# KiCad board USB Cable Tester.kicad_pcb (continued)
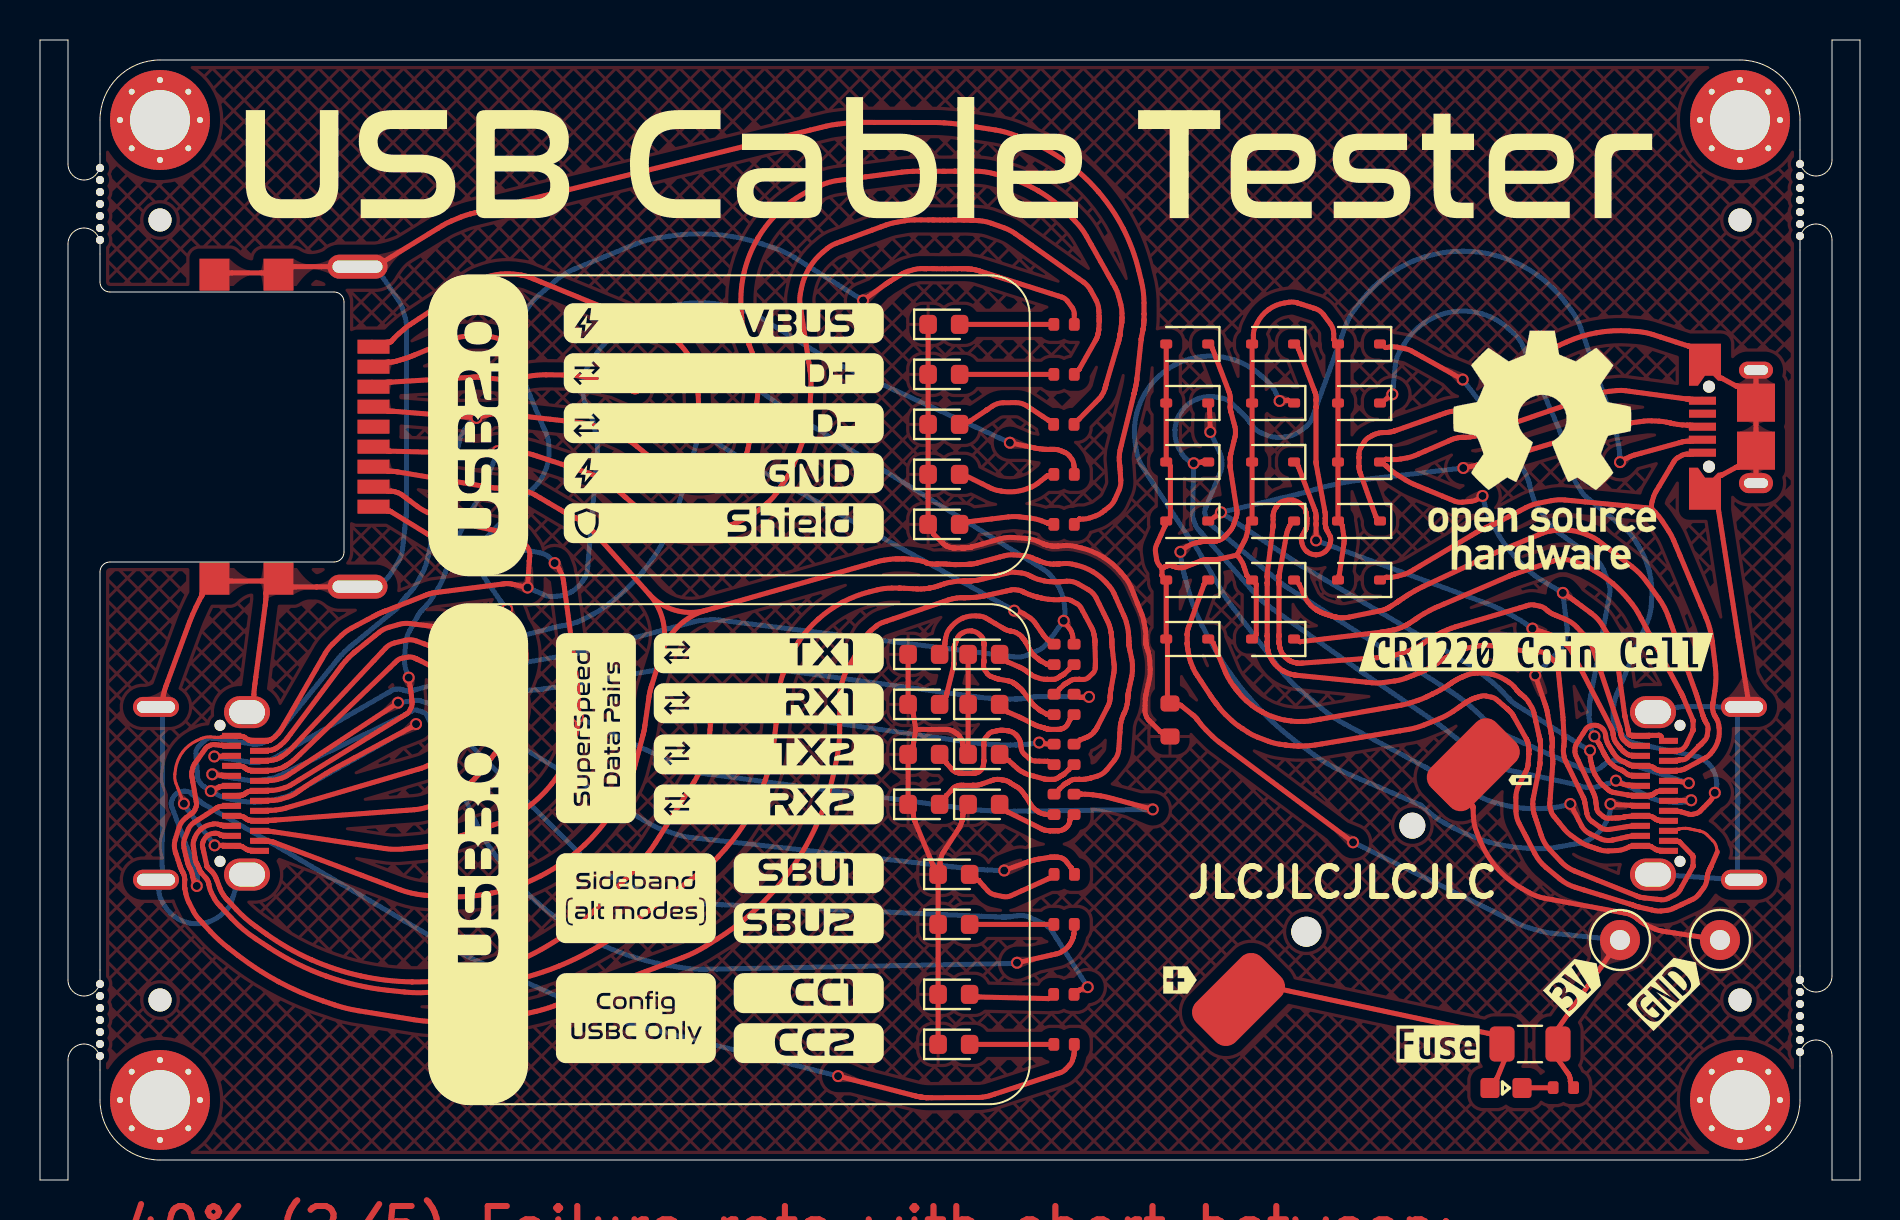
[diagram p0: board, top side]
## Routing (per net, layer and track width the routed paths; a pad name or vN(x,y) marks a point on that pad's centre or on a via; arc(x,y) is an arc through that point) (continued)
/SHLD: length 122
  Top w0.25: 51.96,33.04 51.96,33.04 arc(51.96,33.04) 51.96,33.04 51.96,33.04 arc(51.96,33.04) 51.96,33.04 51.97,33.04 arc(51.97,33.04) 51.97,33.04 52.15,33.04 arc(52.31,33.06) 52.47,33.1 52.79,33.21 arc(52.95,33.27) 53.09,33.37 53.21,33.46 arc(53.22,33.47) 53.23,33.47 arc(53.23,33.48) 53.24,33.49 53.44,33.64 arc(53.61,33.81) 53.74,34.02 53.95,34.49 arc(54.02,34.73) 54.04,34.97 54,35.56 arc(54,35.6) 54,35.63 arc(53.99,35.67) 53.99,35.7 53.96,35.96 arc(53.96,36.05) 53.96,36.13 53.97,36.31 arc(53.98,36.4) 54,36.49 54.07,36.74 54.7,39.32 arc(54.7,39.32) 54.7,39.32 arc(54.7,39.32) 54.7,39.32 54.71,39.33 arc(54.71,39.33) 54.71,39.33 arc(54.71,39.33) 54.71,39.34 54.71,39.35 arc(54.71,39.36) 54.72,39.37 arc(54.72,39.38) 54.72,39.39 54.73,39.41 arc(54.73,39.43) 54.74,39.46 54.74,39.47 arc(54.75,39.51) 54.76,39.55 54.8,39.76 arc(54.81,39.8) 54.82,39.84 54.83,39.91 arc(54.83,39.94) 54.84,39.98 54.85,40.09 55.06,42.01 arc(55.06,42.01) 55.06,42.02 arc(55.06,42.03) 55.06,42.04 55.06,42.06 arc(55.06,42.07) 55.07,42.08 55.08,42.14 55.13,42.43 arc(55.14,42.47) 55.15,42.51 55.16,42.55 arc(55.16,42.55) 55.16,42.55 55.18,42.74 arc(55.18,42.74) 55.18,42.74 55.18,42.77 arc(55.19,42.81) 55.19,42.84 55.2,42.91 arc(55.2,42.94) 55.2,42.98 55.2,43.01 arc(55.2,43.01) 55.2,43.01 arc(55.2,43.01) 55.2,43.01 55.2,43.29 arc(55.2,43.3) 55.2,43.3 55.2,43.85 arc(55.17,44.41) 55.07,44.95 54.93,45.5 arc(54.61,46.56) 54.16,47.57 arc(53.59,48.53) 52.92,49.41 arc(52.15,50.21) 51.29,50.91 arc(50.35,51.51) 49.35,51.99 48.83,52.2 arc(48.31,52.38) 47.76,52.5 46.46,52.7 45.92,52.79 arc(45.74,52.81) 45.56,52.83 45.19,52.86 arc(45.01,52.87) 44.83,52.87 44,52.88 arc(44,52.88) 44,52.88 41.71,52.88 40.9,52.88 arc(40.63,52.87) 40.36,52.85 39.82,52.78 arc(39.55,52.74) 39.28,52.69 38.49,52.49 22.27,48.49 21.53,48.31 arc(21.28,48.24) 21.04,48.15 20.57,47.95 arc(20.33,47.84) 20.11,47.72 19.45,47.31 17.22,45.95 arc(17.08,45.86) 16.94,45.77 16.81,45.69 arc(16.8,45.68) 16.79,45.67 arc(16.77,45.67) 16.76,45.67 J1.10 12.61,45.67 arc(12.55,45.66) 12.5,45.63 12.19,45.44 arc(11.91,45.32) 11.61,45.31 11.36,45.35 arc(11.3,45.35) 11.24,45.35 9.41,45.35 arc(9.35,45.35) 9.29,45.35 8.72,45.27 ; J2.S1 5.95,23.65 arc(6.04,23.69) 6.09,23.78 6.12,24.02 arc(6.14,24.13) 6.16,24.23 6.22,24.44 arc(6.25,24.55) 6.28,24.65 6.39,24.95 7.27,27.35 7.48,27.91 arc(7.55,28.1) 7.63,28.28 7.8,28.65 arc(7.88,28.83) 7.98,29.01 8.09,29.21 arc(8.09,29.22) 8.09,29.23 8.1,29.24 arc(8.1,29.25) 8.1,29.26 8.1,29.33 arc(8.11,29.39) 8.14,29.44 8.51,29.83 arc(8.75,29.99) 9.04,30.01 9.29,29.96 arc(9.35,29.95) 9.41,29.95 11.24,29.95 arc(11.3,29.95) 11.36,29.96 11.61,30.01 ; 12.19,29.89 12.5,29.69 arc(12.55,29.66) 12.61,29.65 13.81,29.65 arc(13.82,29.65) 13.83,29.65 arc(13.84,29.65) 13.84,29.65 14.52,29.66 arc(14.97,29.67) 15.42,29.67 J1.10 ; 12.19,29.89 arc(11.94,29.95) 11.71,29.83 ; 12.19,29.89 arc(11.91,30.01) 11.61,30.01 ; 11.61,30.01 arc(11.72,29.96) 11.71,29.83 ; J2.S1 10.69,23.39 arc(10.7,23.4) 10.7,23.4 arc(10.7,23.41) 10.7,23.43 10.69,23.59 arc(10.68,23.76) 10.68,23.93 10.69,24.28 arc(10.7,24.45) 10.72,24.62 10.79,25.14 11.26,28.73 11.28,28.89 arc(11.29,28.94) 11.29,29 11.3,29.11 arc(11.3,29.16) 11.3,29.21 11.3,29.33 arc(11.31,29.39) 11.34,29.44 11.71,29.83
  Bottom w0.25: J1.10 16.77,29.67 arc(16.77,29.67) 16.78,29.67 arc(16.78,29.67) 16.78,29.67 17.07,29.85 arc(17.33,30.06) 17.54,30.32 17.9,30.9 arc(18.05,31.2) 18.12,31.53 18.24,32.55 18.31,33.24 arc(18.32,33.28) 18.32,33.33 18.32,33.41 arc(18.32,33.45) 18.33,33.5 18.33,36.45 18.33,39.01 18.33,42.67 arc(18.31,42.9) 18.26,43.13 18.12,43.58 arc(18.03,43.8) 17.91,44 17.51,44.59 17.03,45.3 arc(16.72,45.57) 16.32,45.67 J1.10 ; J2.S1 10.18,15.27 arc(10.03,15.23) 9.95,15.11 9.58,13.92 arc(9.49,13.72) 9.35,13.54 9.19,13.38 arc(8.84,13.1) 8.44,12.91 arc(8,12.82) 7.55,12.83 arc(7.12,12.95) 6.73,13.17 arc(6.4,13.47) 6.15,13.84 6.05,14.04 arc(5.97,14.25) 5.95,14.47 5.95,14.94 arc(5.93,14.99) 5.87,15.01 5.96,15.01 arc(6.08,15.06) 6.12,15.18 6.09,16.6 6.09,16.72 arc(6.09,16.76) 6.09,16.8 6.09,16.88 arc(6.1,16.92) 6.1,16.96 6.11,17.08 arc(6.12,17.12) 6.12,17.16 6.12,17.24 arc(6.12,17.28) 6.12,17.32 6.12,20.07 arc(6.12,20.08) 6.12,20.09 6.12,21.12 arc(6.12,21.17) 6.12,21.22 6.12,21.25 arc(6.12,21.27) 6.12,21.28 arc(6.12,21.3) 6.12,21.31 6.12,21.35 arc(6.12,21.4) 6.13,21.46 6.13,23.49 arc(6.08,23.61) 5.96,23.65 J2.S1
/TX1+: length 72.9
  Top w0.25: J2.A2 11.26,21.48 arc(11.33,21.48) 11.39,21.48 11.49,21.48 arc(11.54,21.49) 11.58,21.49 11.66,21.52 arc(11.7,21.53) 11.73,21.55 11.87,21.63 arc(11.96,21.69) 12.04,21.75 12.19,21.89 arc(12.26,21.96) 12.33,22.04 12.52,22.29 15.09,25.73 arc(15.17,25.84) 15.26,25.93 15.44,26.12 arc(15.53,26.21) 15.62,26.3 15.72,26.39 arc(15.73,26.39) 15.73,26.39 15.77,26.42 arc(15.81,26.46) 15.85,26.49 16.32,26.87 16.96,27.39 arc(17.19,27.53) 17.44,27.63 17.96,27.78 arc(18.23,27.83) 18.5,27.82 19.31,27.72 v1(19.97,27.64) ; 16.68,41.67 17.29,41.87 arc(17.35,41.89) 17.41,41.89 17.49,41.89 arc(17.5,41.89) 17.51,41.9 17.54,41.91 arc(17.55,41.91) 17.56,41.92 17.7,42.08 arc(17.83,42.21) 17.96,42.33 18.23,42.56 arc(18.37,42.68) 18.52,42.78 18.96,43.08 21.14,44.51 21.66,44.86 arc(21.84,44.96) 22.03,45.04 22.23,45.11 arc(22.63,45.23) 23.04,45.3 arc(23.45,45.31) 23.87,45.28 24.08,45.25 arc(24.28,45.2) 24.48,45.14 25.06,44.9 30.32,42.75 arc(30.55,42.65) 30.79,42.55 31,42.46 arc(31.02,42.45) 31.04,42.45 31.25,42.35 arc(31.44,42.24) 31.62,42.11 31.79,41.97 arc(32.1,41.67) 32.36,41.33 arc(32.58,40.95) 32.74,40.55 32.81,40.34 arc(32.86,40.13) 32.88,39.92 32.91,39.26 v1(32.98,37.38) ; 50.41,27 50.36,27.04 arc(50.33,27.07) 50.3,27.09 50.25,27.16 arc(50.22,27.19) 50.2,27.22 49.74,27.87 arc(49.63,28) 49.5,28.11 49.21,28.3 arc(49.06,28.38) 48.9,28.43 v1(48.71,28.47)
  Bottom w0.25: v1(19.97,27.64) 20.06,27.65 arc(20.13,27.67) 20.21,27.67 20.36,27.69 arc(20.44,27.7) 20.52,27.7 21.51,27.72 arc(21.62,27.72) 21.72,27.7 21.93,27.64 arc(22.03,27.61) 22.12,27.56 22.72,27.2 arc(22.85,27.14) 23,27.11 23.29,27.06 arc(23.44,27.06) 23.58,27.08 24.01,27.19 25.63,27.61 25.8,27.65 arc(25.86,27.66) 25.91,27.67 26.02,27.7 arc(26.08,27.71) 26.14,27.72 26.34,27.75 arc(26.46,27.77) 26.58,27.81 26.83,27.89 arc(26.95,27.93) 27.06,27.98 27.63,28.28 arc(28.04,28.52) 28.43,28.8 28.81,29.1 arc(29.52,29.74) 30.17,30.45 arc(30.74,31.22) 31.23,32.04 31.45,32.46 arc(31.65,32.9) 31.81,33.35 32.21,34.74 v1(32.98,37.38) 35.66,35.71 arc(35.89,35.57) 36.12,35.43 arc(36.36,35.29) 36.59,35.16 v1(48.71,28.47)
/TX1-: length 84.8
  Top w0.25: 16.68,39.67 17.29,39.87 arc(17.35,39.89) 17.41,39.89 17.45,39.89 arc(17.47,39.89) 17.5,39.89 arc(17.53,39.89) 17.56,39.9 21.62,40.14 21.74,40.15 arc(21.78,40.15) 21.83,40.15 21.91,40.15 arc(21.95,40.15) 21.99,40.14 22.12,40.13 23.25,40.01 arc(23.32,40) 23.4,40.01 23.54,40.01 arc(23.62,40.02) 23.69,40.03 24.3,40.16 arc(24.8,40.24) 25.31,40.26 26.33,40.25 arc(26.84,40.22) 27.34,40.13 v1(29.75,39.58) ; J2.A3 11.26,20.98 arc(11.33,20.98) 11.39,20.98 11.53,20.98 arc(11.6,20.99) 11.68,21 11.82,21.04 arc(11.89,21.07) 11.96,21.1 12.02,21.14 arc(12.03,21.14) 12.03,21.14 12.12,21.19 arc(12.19,21.24) 12.27,21.3 12.41,21.41 arc(12.48,21.47) 12.54,21.54 12.73,21.74 16.7,25.98 17.27,26.59 arc(17.48,26.76) 17.73,26.86 18.28,26.99 arc(18.54,27.01) 18.81,26.95 19.63,26.65 arc(19.64,26.65) 19.66,26.65 19.68,26.64 arc(19.7,26.63) 19.71,26.63 19.75,26.62 v1(21.44,26.21) ; v1(51.19,27.96) 51.51,27.54 arc(51.55,27.48) 51.57,27.41 51.62,27.27 arc(51.64,27.21) 51.64,27.13 51.64,27.06
  Bottom w0.25: v1(21.44,26.21) 21.44,26.21 arc(21.45,26.21) 21.46,26.2 21.52,26.18 arc(21.53,26.18) 21.55,26.17 arc(21.56,26.17) 21.57,26.17 21.67,26.14 arc(21.78,26.1) 21.9,26.07 22.74,25.83 arc(22.9,25.79) 23.05,25.78 23.37,25.76 arc(23.52,25.76) 23.68,25.78 24.14,25.86 26.33,26.24 arc(26.36,26.24) 26.39,26.25 26.41,26.25 arc(26.42,26.25) 26.43,26.25 26.5,26.27 arc(26.56,26.28) 26.63,26.29 26.75,26.32 arc(26.81,26.33) 26.88,26.35 27.06,26.4 32.1,27.75 32.7,27.91 arc(32.9,27.96) 33.11,27.98 33.53,28.01 arc(33.73,28.01) 33.94,28 34.56,27.92 47.81,26.27 48.74,26.15 arc(49.04,26.15) 49.33,26.24 49.91,26.48 arc(50.17,26.64) 50.38,26.86 50.93,27.62 v1(51.19,27.96) 51.23,28.17 arc(51.25,28.36) 51.24,28.55 51.22,28.74 arc(51.15,29.11) 51.03,29.48 arc(50.85,29.81) 50.62,30.12 50.5,30.27 arc(50.36,30.4) 50.21,30.51 49.71,30.82 37.81,38.2 arc(37.64,38.31) 37.47,38.41 arc(37.3,38.53) 37.14,38.64 35.34,39.91 34.77,40.32 arc(34.57,40.44) 34.35,40.53 34.13,40.61 arc(33.68,40.74) 33.22,40.8 arc(32.76,40.8) 32.3,40.74 32.07,40.69 arc(31.84,40.63) 31.63,40.54 31,40.22 v1(29.75,39.58)
/TX2+: length 54.4
  Top w0.25: v1(49.96,21.87) 50.38,21.79 ; J2.B2 9.29,17.23 arc(9.23,17.23) 9.16,17.23 9.09,17.23 arc(9.08,17.23) 9.08,17.24 9.06,17.24 arc(9.05,17.24) 9.05,17.25 9.04,17.25 arc(9.04,17.25) 9.04,17.25 8.96,17.3 arc(8.88,17.33) 8.79,17.34 8.7,17.33 arc(8.53,17.3) 8.37,17.22 arc(8.25,17.1) 8.17,16.94 8.14,16.86 arc(8.12,16.77) 8.12,16.69 8.35,15.68 arc(8.35,15.67) 8.36,15.66 8.37,15.65 arc(8.37,15.64) 8.38,15.63 arc(8.38,15.63) 8.39,15.62 8.61,15.4 arc(8.65,15.36) 8.68,15.31 8.74,15.22 arc(8.77,15.18) 8.79,15.13 9.02,14.53 arc(9.05,14.45) 9.1,14.37 9.19,14.22 arc(9.24,14.15) 9.3,14.09 9.35,14.03 arc(9.36,14.02) 9.36,14.02 arc(9.37,14.01) 9.37,14.01 9.81,13.53 arc(10.27,13.08) 10.78,12.68 11.31,12.3 arc(12.41,11.6) 13.56,11.02 arc(14.77,10.55) 16.03,10.21 arc(17.31,9.99) 18.6,9.91 arc(19.9,9.95) 21.18,10.13 arc(22.45,10.43) 23.67,10.86 arc(24.85,11.41) 25.96,12.07 26.5,12.43 arc(27.02,12.82) 27.5,13.26 29.56,15.33 arc(29.78,15.57) 30,15.83 30.41,16.34 arc(30.6,16.61) 30.79,16.88 31.32,17.71 32.71,19.92 arc(32.9,20.26) 33.05,20.62 33.3,21.37 arc(33.41,21.74) 33.47,22.13 v1(33.61,23.72)
  Bottom w0.25: v1(49.96,21.87) 49.8,21.84 arc(49.67,21.82) 49.53,21.8 49.26,21.78 arc(49.12,21.77) 48.99,21.76 48.77,21.76 48.51,21.75 arc(48.2,21.75) 47.89,21.76 47.28,21.8 arc(46.97,21.82) 46.67,21.86 45.75,21.99 v1(33.61,23.72)
/TX2-: length 69.8
  Top w0.25: J2.B3 9.29,17.73 arc(9.23,17.73) 9.16,17.73 9.1,17.73 arc(9.09,17.73) 9.09,17.73 9.08,17.74 arc(9.07,17.74) 9.07,17.74 arc(9.06,17.74) 9.06,17.74 arc(9.05,17.74) 9.05,17.74 8.92,17.78 arc(8.79,17.81) 8.66,17.8 8.52,17.77 arc(8.27,17.69) 8.05,17.54 arc(7.86,17.34) 7.74,17.11 7.69,16.98 arc(7.66,16.85) 7.66,16.72 7.76,16.03 arc(7.77,16) 7.78,15.97 7.8,15.9 arc(7.81,15.87) 7.83,15.84 7.84,15.82 arc(7.84,15.81) 7.85,15.8 7.87,15.77 arc(7.88,15.74) 7.9,15.71 7.93,15.64 arc(7.94,15.61) 7.95,15.58 7.97,15.51 arc(7.98,15.49) 7.99,15.47 8.01,15.43 arc(8.03,15.42) 8.04,15.4 8.06,15.37 arc(8.07,15.36) 8.08,15.35 arc(8.08,15.34) 8.09,15.33 8.32,15.07 arc(8.34,15.04) 8.36,15.01 8.4,14.94 arc(8.41,14.9) 8.42,14.86 8.47,14.65 arc(8.51,14.5) 8.57,14.35 8.72,14.07 arc(8.8,13.94) 8.9,13.82 9.04,13.66 9.57,13.09 arc(10.15,12.54) 10.79,12.06 11.46,11.62 arc(12.85,10.82) 14.32,10.19 arc(15.85,9.74) 17.43,9.48 18.23,9.4 arc(19.03,9.36) 19.83,9.42 21.78,9.69 23.02,9.86 arc(23.45,9.93) 23.87,10.03 24.3,10.14 arc(25.14,10.4) 25.96,10.7 arc(26.76,11.06) 27.54,11.46 27.92,11.68 arc(28.3,11.9) 28.66,12.15 29.72,12.94 31.96,14.6 33.18,15.5 arc(33.57,15.82) 33.92,16.17 34.26,16.55 arc(34.89,17.33) 35.44,18.18 arc(35.9,19.07) 36.27,20.01 36.43,20.49 arc(36.56,20.97) 36.65,21.47 36.81,22.85 36.86,23.23 arc(36.87,23.34) 36.88,23.44 arc(36.89,23.54) 36.89,23.65 36.89,23.68 arc(36.9,23.81) 36.91,23.95 36.93,24.12 arc(36.93,24.14) 36.93,24.16 36.97,24.55 arc(37.03,24.92) 37.14,25.27 37.27,25.62 arc(37.57,26.3) 37.94,26.93 arc(38.39,27.52) 38.91,28.04 arc(39.49,28.5) 40.12,28.89 arc(40.8,29.19) 41.5,29.42 41.86,29.51 arc(42.23,29.57) 42.59,29.6 42.97,29.6 arc(42.97,29.6) 42.97,29.6 43.05,29.59 arc(43.13,29.59) 43.21,29.59 43.89,29.55 arc(43.97,29.55) 44.05,29.55 44.21,29.56 arc(44.29,29.57) 44.37,29.58 44.45,29.59 arc(44.45,29.59) 44.45,29.59 arc(44.46,29.59) 44.46,29.59 44.51,29.6 arc(44.57,29.61) 44.63,29.63 44.74,29.65 arc(44.8,29.67) 44.85,29.69 45.24,29.82 arc(45.37,29.85) 45.49,29.88 45.75,29.92 arc(45.88,29.94) 46.01,29.95 46.18,29.95 arc(46.18,29.95) 46.18,29.95 46.19,29.95 arc(46.2,29.95) 46.21,29.95 46.23,29.95 arc(46.25,29.95) 46.27,29.95 46.29,29.95 arc(46.29,29.95) 46.29,29.95 46.34,29.95 arc(46.37,29.95) 46.41,29.95 46.44,29.95 arc(46.46,29.95) 46.47,29.95 arc(46.48,29.95) 46.5,29.95 46.53,29.96 arc(46.53,29.96) 46.53,29.96 46.56,29.96 arc(46.56,29.96) 46.57,29.96 46.63,29.96 arc(46.69,29.97) 46.76,29.97 46.88,29.99 arc(46.94,30) 47,30.02 47.18,30.06 47.93,30.24 48.42,30.36 arc(48.58,30.39) 48.75,30.39 49.08,30.35 arc(49.25,30.32) 49.4,30.26 49.69,30.11 arc(49.81,30.06) 49.94,30.02 50.2,29.96 arc(50.33,29.93) 50.46,29.92 50.76,29.91 arc(50.8,29.91) 50.84,29.91 50.91,29.91 arc(50.95,29.91) 50.98,29.91 51.01,29.91 arc(51.02,29.92) 51.03,29.92 arc(51.04,29.92) 51.05,29.92 51.34,29.94 arc(51.63,29.92) 51.9,29.81 52.42,29.51 arc(52.65,29.33) 52.81,29.09 53.29,28.13 53.4,27.89 arc(53.44,27.81) 53.47,27.73 53.52,27.56 arc(53.54,27.47) 53.55,27.38 53.58,27.18 arc(53.58,27.13) 53.59,27.08 53.59,27.05 arc(53.59,27.04) 53.59,27.02 arc(53.59,27.01) 53.59,27 53.59,26.93 arc(53.59,26.92) 53.59,26.91 arc(53.59,26.9) 53.59,26.9 53.59,26.87 arc(53.59,26.83) 53.59,26.8 53.6,26.73 arc(53.6,26.69) 53.6,26.66 53.71,25.74 arc(53.71,25.68) 53.71,25.62 53.71,25.5 arc(53.7,25.44) 53.7,25.38 53.54,24.51 arc(53.54,24.48) 53.53,24.44 53.52,24.38 arc(53.52,24.34) 53.52,24.31 53.51,24.23 arc(53.51,24.2) 53.51,24.16 53.51,24.13 arc(53.51,24.13) 53.51,24.12 arc(53.51,24.11) 53.51,24.11 53.5,24.06 arc(53.5,24) 53.49,23.94 53.46,23.83 arc(53.44,23.78) 53.42,23.73 53.34,23.57 52.84,22.6 arc(52.83,22.58) 52.81,22.56 52.78,22.51 arc(52.77,22.49) 52.75,22.47 52.67,22.36 arc(52.62,22.32) 52.58,22.28 52.48,22.21 arc(52.43,22.18) 52.38,22.15 52.01,22 arc(52,22) 52,22 52,22 arc(52,22) 52,22 52,22
/USB_GND: length 80.8
  Top w0.15: v1(7.2,18.82) 6.89,19.61 6.8,19.83 arc(6.74,20.06) 6.74,20.29 6.77,20.53 arc(6.89,20.98) 7.12,21.39 arc(7.45,21.73) 7.84,21.97 8.06,22.07 arc(8.29,22.14) 8.52,22.15 8.75,22.13 arc(8.76,22.13) 8.77,22.13 8.77,22.13 arc(8.78,22.13) 8.78,22.13 arc(8.78,22.13) 8.78,22.13 8.87,22.13 arc(8.88,22.13) 8.88,22.13 arc(8.88,22.13) 8.89,22.13 9.06,22.15 arc(9.07,22.15) 9.07,22.15 9.09,22.16 arc(9.09,22.17) 9.1,22.17 9.1,22.18 arc(9.1,22.18) 9.1,22.18 arc(9.1,22.18) 9.1,22.18 9.14,22.18 arc(9.18,22.18) 9.21,22.19 9.4,22.2
  Top w0.25: v1(8.73,16.73) 9.16,16.73 arc(9.23,16.73) 9.29,16.73 9.4,16.72 arc(9.58,16.71) 9.75,16.7 9.86,16.69 arc(9.93,16.68) 9.99,16.68 10.06,16.68 arc(10.07,16.68) 10.08,16.68 10.09,16.68 arc(10.1,16.67) 10.11,16.67 10.35,16.52 arc(10.37,16.51) 10.39,16.5 10.43,16.49 arc(10.46,16.48) 10.48,16.48 10.56,16.48 arc(10.63,16.48) 10.69,16.48 J2.A12 ; 51.71,35.6 51.68,35.84 arc(51.65,35.95) 51.59,36.04 51.45,36.23 arc(51.38,36.3) 51.28,36.36 51.02,36.47 arc(50.97,36.49) 50.93,36.5 50.83,36.52 arc(50.79,36.53) 50.74,36.53 50.58,36.53 arc(50.56,36.53) 50.53,36.53 50.52,36.53 arc(50.51,36.53) 50.5,36.53 50.5,36.53 arc(50.49,36.53) 50.48,36.53 arc(50.48,36.53) 50.47,36.53 50.46,36.53 arc(50.45,36.53) 50.44,36.53 50.44,36.53 arc(50.42,36.53) 50.41,36.53 50.38,36.53 arc(50.37,36.53) 50.35,36.53 50.13,36.54 arc(50.07,36.55) 50.01,36.56 49.88,36.57 arc(49.82,36.58) 49.77,36.59 49.59,36.63 v1(48.49,36.86) ; 16.68,34.67 17.29,34.46 arc(17.35,34.45) 17.41,34.44 17.57,34.44 arc(17.66,34.43) 17.74,34.41 17.92,34.36 arc(18,34.32) 18.08,34.27 18.86,33.68 arc(19.11,33.52) 19.36,33.39 19.89,33.15 arc(20.16,33.04) 20.44,32.97 21.29,32.79 23.7,32.28 arc(23.91,32.19) 24.08,32.03 24.37,31.64 arc(24.47,31.43) 24.49,31.2 24.47,30.96 24.46,30.95 arc(24.46,30.93) 24.46,30.91 v1(24.38,29.62) 23.57,29.8 arc(23.52,29.81) 23.47,29.81 23.36,29.82 arc(23.3,29.82) 23.25,29.81 23.09,29.79 19.86,29.38 19.7,29.36 arc(19.65,29.35) 19.59,29.34 19.49,29.31 arc(19.44,29.3) 19.39,29.28 19.24,29.22 17.27,28.45 arc(17.25,28.44) 17.24,28.44 arc(17.23,28.44) 17.22,28.43 17.15,28.41 arc(17.09,28.38) 17.04,28.36 16.93,28.31 arc(16.88,28.29) 16.83,28.26 16.38,28.02 15.56,27.59 arc(15.31,27.42) 15.07,27.23 14.63,26.8 arc(14.43,26.58) 14.26,26.32 13.8,25.53 12.05,22.5 arc(11.99,22.41) 11.92,22.33 11.78,22.19 arc(11.7,22.12) 11.61,22.06 11.52,22 arc(11.51,22) 11.51,22 11.51,22 arc(11.5,21.99) 11.49,21.99 11.48,21.99 arc(11.47,21.98) 11.46,21.98 11.39,21.98 arc(11.33,21.98) 11.26,21.98 11.15,21.97 arc(10.98,21.96) 10.8,21.97 10.69,21.98 arc(10.63,21.98) 10.56,21.98 10.51,21.98 arc(10.5,21.98) 10.49,21.98 arc(10.48,21.98) 10.47,21.99 10.46,21.99 arc(10.45,21.99) 10.44,22 10.2,22.15 arc(10.18,22.16) 10.16,22.16 10.12,22.18 arc(10.1,22.18) 10.07,22.18 9.99,22.18 arc(9.93,22.18) 9.86,22.19 9.75,22.2 arc(9.58,22.2) 9.4,22.2
  Bottom w0.25: v1(24.38,29.62) 25.25,29.24 arc(25.44,29.18) 25.63,29.17 25.83,29.18 arc(26.22,29.25) 26.58,29.41 arc(26.89,29.65) 27.14,29.96 27.25,30.13 arc(27.33,30.31) 27.37,30.5 27.42,31.11 27.79,35.39 27.87,36.34 arc(27.87,36.66) 27.84,36.97 27.73,37.6 arc(27.66,37.91) 27.55,38.2 27.27,38.83 arc(27.17,39.14) 27.16,39.47 27.22,40.14 arc(27.29,40.46) 27.44,40.76 27.65,41.07 27.88,41.39 arc(28.13,41.71) 28.42,42 28.73,42.27 arc(29.39,42.77) 30.1,43.18 arc(30.85,43.5) 31.64,43.72 arc(32.46,43.84) 33.28,43.85 arc(34.09,43.77) 34.89,43.57 35.29,43.45 arc(35.67,43.31) 36.03,43.11 37.09,42.46 39.26,41.12 39.4,41.04 arc(39.45,41.01) 39.49,40.98 39.59,40.93 arc(39.63,40.91) 39.68,40.88 39.83,40.82 v1(48.49,36.86) ; v1(8.73,16.73) 7.33,18.58 arc(7.31,18.61) 7.29,18.64 7.25,18.71 arc(7.23,18.74) 7.22,18.77 7.2,18.8 arc(7.2,18.81) 7.2,18.81 v1(7.2,18.82)
Net-(B1-+): length 12.2
  Top w0.25: 72.85,5.09 72.85,5.1 arc(72.85,5.1) 72.85,5.1 arc(72.86,5.1) 72.86,5.1 73.27,6.1 arc(73.27,6.1) 73.27,6.1 73.27,6.11 arc(73.27,6.11) 73.27,6.11 ; 73.07,7.13 73.07,7.13 arc(73.06,7.13) 73.05,7.13 73.04,7.14 arc(73.03,7.14) 73.03,7.14 73.02,7.14 arc(73.01,7.15) 73.01,7.15 72.99,7.16 arc(72.99,7.16) 72.99,7.16 72.93,7.18 arc(72.88,7.21) 72.82,7.23 72.7,7.26 arc(72.64,7.28) 72.58,7.3 72.41,7.33 62.23,9.5
Net-(D1-K): length 28.1
  Top w0.25: v1(77.72,22.18) 77.86,21.96 arc(77.89,21.91) 77.92,21.86 77.95,21.82 arc(77.96,21.81) 77.96,21.8 77.97,21.78 arc(77.98,21.77) 77.99,21.76 78,21.74 arc(78.01,21.72) 78.01,21.71 78.01,21.71 arc(78.02,21.7) 78.02,21.7 arc(78.02,21.69) 78.02,21.68 78.03,21.66 arc(78.05,21.63) 78.06,21.6 78.17,21.37 arc(78.18,21.36) 78.19,21.34 78.2,21.32 arc(78.21,21.3) 78.22,21.29 78.38,21.02 arc(78.44,20.93) 78.53,20.85 78.71,20.69 arc(78.8,20.62) 78.9,20.57 79.01,20.53 arc(79.01,20.53) 79.02,20.53 arc(79.02,20.52) 79.03,20.52 79.04,20.52 arc(79.06,20.51) 79.08,20.5 79.11,20.48 arc(79.13,20.47) 79.15,20.46 79.37,20.28 arc(79.4,20.27) 79.42,20.26 79.47,20.24 arc(79.5,20.24) 79.52,20.23 79.61,20.23 arc(79.67,20.23) 79.74,20.23 J4.A8 ; v1(71.14,40.02) 68.6,41.44 arc(68.43,41.52) 68.25,41.57 67.87,41.64 arc(67.69,41.66) 67.5,41.65 67.3,41.62 arc(67.29,41.62) 67.29,41.62 arc(67.29,41.62) 67.29,41.62 67.29,41.62 arc(67.28,41.62) 67.28,41.62 arc(67.28,41.63) 67.28,41.63
  Bottom w0.25: v1(71.14,40.02) 73.2,37.34 73.32,37.17 arc(73.36,37.12) 73.4,37.06 73.47,36.95 arc(73.51,36.89) 73.54,36.83 73.63,36.65 74.33,35.21 arc(74.35,35.15) 74.38,35.09 74.42,34.97 arc(74.44,34.91) 74.46,34.85 74.48,34.78 arc(74.48,34.76) 74.48,34.75 74.58,34.36 arc(74.71,33.98) 74.91,33.62 75.37,32.94 arc(75.63,32.62) 75.94,32.36 76.95,31.63 77.77,31.04 arc(78,30.81) 78.17,30.53 78.42,29.9 arc(78.49,29.59) 78.48,29.26 78.29,28.27 77.54,24.22 77.52,24.09 arc(77.51,24.05) 77.5,24.01 77.49,23.93 arc(77.49,23.89) 77.48,23.85 77.48,23.81 arc(77.48,23.81) 77.48,23.8 arc(77.47,23.8) 77.47,23.79 77.47,23.75 arc(77.46,23.7) 77.46,23.65 77.45,23.55 arc(77.45,23.49) 77.45,23.44 77.45,23.24 arc(77.46,23.08) 77.48,22.93 77.55,22.63 arc(77.59,22.48) 77.65,22.34 77.71,22.21 arc(77.71,22.2) 77.72,22.19 v1(77.72,22.18)
Net-(D2-A): length 6
  Top w0.25: 50.38,18.27 50.21,18.3 arc(50.17,18.3) 50.12,18.32 50.03,18.35 arc(49.99,18.37) 49.95,18.39 49.8,18.49 arc(49.76,18.52) 49.72,18.55 49.64,18.63 arc(49.61,18.67) 49.57,18.72 49.27,19.2 arc(49.27,19.21) 49.26,19.21 49.25,19.23 arc(49.24,19.24) 49.24,19.25 49.08,19.46 arc(49.05,19.49) 49.02,19.52 48.95,19.58 arc(48.92,19.61) 48.88,19.63 48.79,19.69 arc(48.73,19.72) 48.68,19.75 48.64,19.78 arc(48.59,19.81) 48.54,19.84 48.45,19.9 arc(48.42,19.92) 48.38,19.93 48.31,19.96 arc(48.27,19.98) 48.23,19.98 47.97,20.03 arc(47.92,20.03) 47.87,20.03 47.77,20.02 arc(47.72,20.02) 47.68,20 47.02,19.78 arc(46.98,19.76) 46.94,19.75 46.85,19.74 arc(46.8,19.73) 46.76,19.73 46.68,19.73 arc(46.67,19.73) 46.66,19.73 46.65,19.73 arc(46.65,19.73) 46.64,19.73 46.63,19.73 arc(46.62,19.73) 46.62,19.73 46.19,19.73 arc(46.19,19.73) 46.18,19.73 46.17,19.73 arc(46.16,19.73) 46.16,19.73 46.15,19.73 arc(46.14,19.73) 46.13,19.73 46.11,19.73 arc(46.1,19.73) 46.08,19.73 46.07,19.73 arc(46.06,19.73) 46.06,19.73 45.99,19.73 arc(45.93,19.73) 45.88,19.71 45.77,19.67 arc(45.72,19.64) 45.67,19.6 45.33,19.22 arc(45.32,19.22) 45.32,19.22 45.32,19.22
Net-(D3-A): length 3.6
  Top w0.25: 48.38,18.41 48.38,18.41 arc(48.38,18.4) 48.38,18.4 48.38,18.4 arc(48.38,18.4) 48.38,18.4 50.05,17.57 50.13,17.53 arc(50.16,17.52) 50.18,17.51 50.24,17.49 arc(50.26,17.49) 50.29,17.48 50.42,17.47 arc(50.43,17.47) 50.45,17.47 50.45,17.47 arc(50.46,17.47) 50.48,17.47 50.49,17.46 arc(50.5,17.46) 50.5,17.46 50.51,17.46 arc(50.52,17.46) 50.52,17.46 arc(50.53,17.46) 50.53,17.46 arc(50.54,17.46) 50.54,17.46 50.56,17.46 arc(50.58,17.46) 50.6,17.46 50.64,17.46 arc(50.64,17.46) 50.64,17.46 arc(50.64,17.46) 50.65,17.46 50.69,17.46 arc(50.7,17.46) 50.7,17.46 arc(50.71,17.46) 50.72,17.46 50.76,17.46 arc(50.76,17.46) 50.76,17.46 arc(50.77,17.46) 50.77,17.46 50.8,17.46 arc(50.82,17.46) 50.85,17.46 50.86,17.46 arc(50.87,17.46) 50.87,17.46 arc(50.88,17.46) 50.88,17.46 arc(50.89,17.46) 50.89,17.46 50.9,17.46 arc(50.91,17.46) 50.91,17.46 50.98,17.47 arc(51.02,17.47) 51.05,17.48 51.12,17.51 arc(51.16,17.52) 51.19,17.54 51.31,17.62 arc(51.36,17.66) 51.39,17.71 51.45,17.82 arc(51.48,17.87) 51.49,17.93 51.49,17.99 arc(51.49,17.99) 51.49,18 51.49,18 arc(51.49,18) 51.49,18 arc(51.49,18.01) 51.49,18.01
Net-(D4-A): length 4
  Top w0.25: 50.42,42.78 46.42,42.78
Net-(D5-K): length 27
  Top w0.25: J4.B2 81.71,21.48 arc(81.77,21.48) 81.84,21.48 81.96,21.48 arc(82.03,21.49) 82.09,21.52 arc(82.23,21.64) 82.33,21.8 82.65,22.47 arc(82.65,22.47) 82.65,22.48 82.65,22.49 arc(82.65,22.5) 82.65,22.51 82.65,22.96 arc(82.65,22.97) 82.65,22.97 82.65,22.98 arc(82.65,22.99) 82.65,23 arc(82.64,23) 82.64,23.01 82.13,24.2 arc(82.12,24.22) 82.11,24.24 82.09,24.28 arc(82.08,24.3) 82.07,24.32 82.04,24.38 80.32,27.58 79.92,28.33 arc(79.78,28.57) 79.61,28.8 79.43,29.01 arc(79.06,29.44) 78.64,29.82 arc(78.2,30.16) 77.72,30.46 77.47,30.6 arc(77.22,30.73) 76.96,30.83 76.7,30.92 arc(76.69,30.92) 76.68,30.93 arc(76.68,30.93) 76.67,30.93 76.55,30.97 arc(76.42,31.01) 76.28,31.02 76.01,31.02 arc(75.88,31.01) 75.74,30.97 75.36,30.84 73.77,30.31 73.68,30.28 arc(73.65,30.27) 73.63,30.26 73.57,30.24 arc(73.54,30.23) 73.52,30.22 73.44,30.19 70.2,28.8 69.76,28.61 arc(69.62,28.54) 69.48,28.47 69.2,28.31 arc(69.06,28.23) 68.93,28.14 68.79,28.05 arc(68.78,28.04) 68.78,28.04 68.74,28.01 arc(68.7,27.99) 68.66,27.96 68.45,27.82 arc(68.43,27.81) 68.42,27.8 68.38,27.78 arc(68.36,27.77) 68.34,27.76 68.33,27.75 arc(68.32,27.75) 68.31,27.74 arc(68.3,27.74) 68.29,27.73 68.23,27.7 arc(68.15,27.66) 68.06,27.62 67.9,27.56 arc(67.82,27.54) 67.73,27.51 67.24,27.42 arc(67.21,27.41) 67.19,27.41 67.14,27.4 arc(67.12,27.4) 67.09,27.39 67.02,27.39 63.01,26.92 arc(63.01,26.92) 63.01,26.92 63,26.92
Net-(D6-K): length 37.1
  Top w0.25: J4.B11 81.71,16.94 arc(81.77,16.93) 81.84,16.93 81.91,16.93 arc(81.92,16.93) 81.94,16.93 81.96,16.92 arc(81.97,16.91) 81.98,16.9 82.63,16.23 arc(82.64,16.22) 82.64,16.21 82.65,16.19 arc(82.65,16.18) 82.65,16.16 82.65,15.71 arc(82.65,15.7) 82.65,15.69 82.65,15.67 arc(82.65,15.67) 82.64,15.66 82.27,15 82,14.5 arc(81.89,14.36) 81.74,14.25 81.4,14.08 arc(81.23,14.02) 81.05,14.01 80.13,14.12 arc(80.09,14.12) 80.05,14.13 79.98,14.15 arc(79.94,14.16) 79.9,14.17 79.79,14.22 77.89,14.98 76.73,15.45 arc(76.37,15.64) 76.06,15.91 75.48,16.52 arc(75.24,16.84) 75.07,17.22 74.81,18 74.7,18.33 arc(74.67,18.44) 74.65,18.56 74.64,18.8 arc(74.64,18.92) 74.66,19.04 74.73,19.4 74.96,20.56 arc(74.96,20.57) 74.96,20.57 arc(74.96,20.58) 74.96,20.58 74.98,20.7 arc(74.99,20.72) 74.99,20.74 74.99,20.78 arc(75,20.8) 75,20.82 75.02,21.24 arc(75.02,21.27) 75.02,21.3 arc(75.02,21.33) 75.02,21.35 75.02,21.48 arc(75.02,21.5) 75.02,21.53 75.02,21.57 arc(75.02,21.6) 75.02,21.62 75.02,21.64 arc(75.02,21.64) 75.02,21.65 arc(75.02,21.65) 75.02,21.65 75.03,21.68 arc(75.03,21.7) 75.03,21.73 75.03,21.78 arc(75.03,21.8) 75.02,21.83 75.01,21.95 arc(75.01,21.97) 75,21.98 75,22.02 arc(74.99,22.04) 74.99,22.05 74.98,22.09 arc(74.98,22.1) 74.98,22.11 74.97,22.15 arc(74.96,22.2) 74.94,22.25 74.7,23.36 arc(74.65,23.5) 74.59,23.64 74.43,23.9 arc(74.34,24.02) 74.24,24.13 74.04,24.3 arc(74.03,24.31) 74.02,24.32 74.01,24.33 arc(74.01,24.33) 74.01,24.33 73.98,24.35 arc(73.96,24.37) 73.94,24.39 73.9,24.43 arc(73.88,24.45) 73.86,24.47 73.85,24.48 arc(73.85,24.49) 73.84,24.49 arc(73.84,24.5) 73.83,24.51 73.72,24.64 arc(73.59,24.78) 73.45,24.89 73.29,24.99 arc(72.97,25.16) 72.62,25.28 72.62,25.28 arc(72.25,25.34) 71.89,25.34 71.7,25.33 arc(71.52,25.3) 71.34,25.25 71.06,25.13 arc(71.03,25.11) 70.99,25.1 70.93,25.07 arc(70.9,25.05) 70.87,25.03 70.74,24.96 arc(70.72,24.95) 70.7,24.94 70.66,24.91 arc(70.64,24.9) 70.62,24.89 70.39,24.73 arc(70.3,24.67) 70.2,24.61 70.01,24.5 arc(69.91,24.44) 69.81,24.39 69.3,24.14 arc(69.1,24.05) 68.89,23.98 68.48,23.84 arc(68.27,23.79) 68.06,23.74 67.41,23.63 63.53,22.96 arc(63.37,22.94) 63.21,22.93 62.89,22.93 arc(62.73,22.93) 62.57,22.95 62.23,23 arc(62.07,23.03) 61.9,23.08 61.58,23.19 arc(61.42,23.25) 61.26,23.32 61.11,23.4 arc(61.11,23.4) 61.11,23.41 arc(61.11,23.41) 61.11,23.41 61.09,23.42 arc(61.09,23.42) 61.09,23.42 arc(61.09,23.42) 61.08,23.42 60.92,23.51 arc(60.76,23.61) 60.61,23.72 60.32,23.96 arc(60.18,24.09) 60.05,24.23 59.94,24.37 arc(59.94,24.37) 59.93,24.38 arc(59.93,24.39) 59.92,24.39 59.91,24.41 arc(59.89,24.44) 59.87,24.46 59.85,24.48 arc(59.83,24.51) 59.81,24.53 59.8,24.55 arc(59.79,24.56) 59.79,24.56 arc(59.79,24.56) 59.78,24.57 59.76,24.6 arc(59.75,24.61) 59.74,24.62 arc(59.74,24.63) 59.73,24.64 59.66,24.72 arc(59.59,24.82) 59.53,24.92 59.41,25.12 arc(59.35,25.23) 59.3,25.33 58.66,26.84 arc(58.66,26.84) 58.66,26.84 arc(58.66,26.84) 58.66,26.84 58.66,26.85